# Altium PCB MainboardV2.PcbDoc (part 2 of 2)
Units mm, origin at the board's own origin, x right, y up, seen from the top; angles counter-clockwise.
Board outline 100 x 200 mm, 2 copper layers (Top Layer, Bottom Layer); 154 components, 96 nets, 524 pads, 219 vias.
Unrouted connection lines stored in the file: 2.
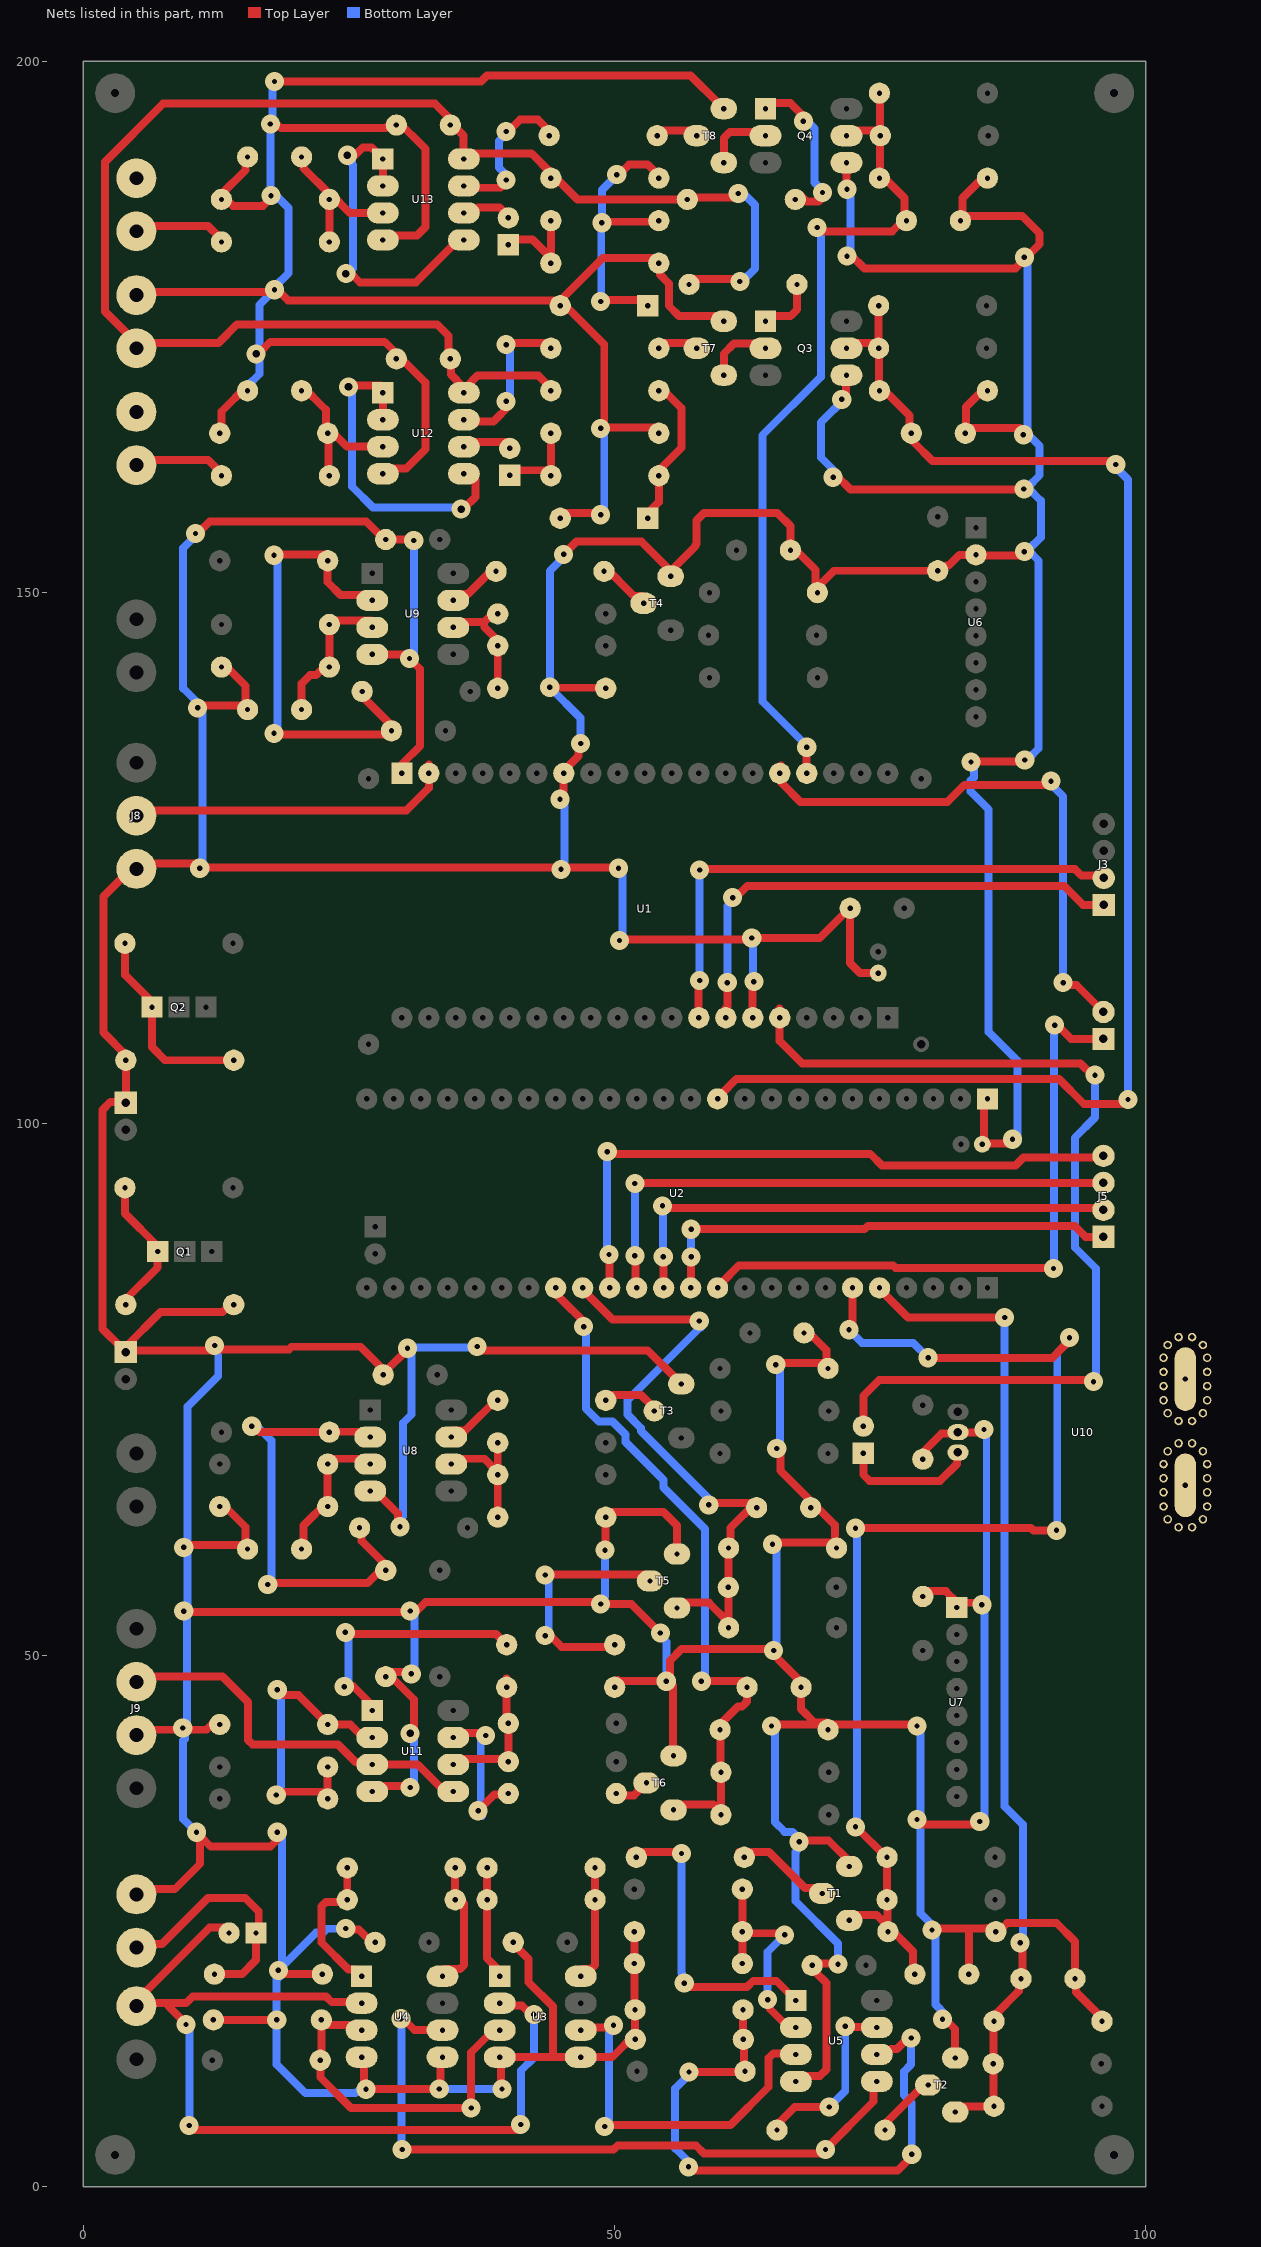
[diagram p2: the nets of this part, all layers, seen from the top]

## Via types
v1: diameter 1.8, hole 0.5, Top Layer to Bottom Layer, 212 vias
v2: diameter 1.8, hole 0.711, Top Layer to Bottom Layer, 7 vias

## Nets (pads, with @x,y where several pads share a name; then routed paths per layer and width w, separated by ;. In a path a pad name is that pad's centre, name@x,y a point inside that pad or via, vN(x,y) a via of type N, cw(c..) or ccw(c..) an arc to the next point about the centre after c; other vN are vias at no path point) (continued)
CPU_OUT.ESP32.TMP: J3.1 U1.J5_7 | length 46.8
  Top Layer w0.75: U1.J5_7@60.452,110.85 60.6,110.998 v1(60.6,113.3) ; v1(61.1,121.3) 61.384,121.3 62.484,122.4 92.3,122.4 94.088,120.612 J3.1@96.021,120.612
  Bottom Layer w0.75: v1(60.6,113.3) 60.6,120.516 61.1,121.016 v1(61.1,121.3)
CPU_OUT.ESP32.VLT: J3.2 U1.J5_8 | length 51.1
  Top Layer w0.75: U1.J5_8@57.912,110.85 57.912,113.412 v1(58,113.5) ; v1(58,123.9) 58.1,124 93.3,124 93.909,123.391 J3.2@95.76,123.391
  Bottom Layer w0.75: v1(58,113.5) v1(58,123.9)
CPU_OUT.ESP32_OUT: J4.2 U1.J4_15 | length 52.6
  Top Layer w0.75: U1.J4_15@65.669,133.713 65.669,132.131 67.5,130.3 81.3,130.3 82.9,131.9 v1@91.4,131.9 ; v1(92.2,113.3) 92.401,113.099 93.441,113.099 95.592,110.948 95.908,110.948 J4.2@96,111.04
  Bottom Layer w0.75: v1@91.35,131.9 91.259,131.809 91.259,131.775 92.2,130.834 v1(92.2,113.3)
  other v1: 91.058,132.26
CPU_OUT.FPGA.CAN: J5.4 U2.34 | length 60
  Top Layer w0.75: v1(49.3,97.4) 49.501,97.199 74.05,97.199 75.149,96.1 87.726,96.1 88.486,96.86 95.86,96.86 J5.4@96,97 ; v1(49.473,87.727) 49.502,87.698 49.502,85.11 U2.34@49.53,85.082
  Bottom Layer w0.75: v1(49.3,97.4) 49.279,97.379 49.279,87.921 v1(49.473,87.727)
CPU_OUT.FPGA.CUR: J5.3 U2.35 | length 53.5
  Top Layer w0.75: v1(51.9,87.6) 51.985,87.515 51.985,85.159 52.062,85.082 U2.35@52.07,85.082 ; v1(51.9,94.4) 51.968,94.467 95.993,94.467 J5.3@96,94.46
  Bottom Layer w0.75: v1(51.9,87.6) v1(51.9,94.4)
CPU_OUT.FPGA.TMP: J5.1 U2.37 | length 44.4
  Top Layer w0.75: U2.37@57.15,85.082 57.175,85.107 57.175,87.475 v1(57.2,87.5) ; v1(57.2,90.1) 73.523,90.1 73.823,90.4 93.3,90.4 94.314,89.386 95.994,89.386 J5.1@96,89.38
  Bottom Layer w0.75: v1(57.2,87.5) v1(57.2,90.1)
CPU_OUT.FPGA.VLT: J5.2 U2.36 | length 48.9
  Top Layer w0.75: v1(54.5,92.3) 54.69,92.11 95.81,92.11 J5.2@96,91.92 ; v1(54.571,87.503) 54.59,87.484 54.59,85.102 U2.36@54.61,85.082
  Bottom Layer w0.75: v1(54.5,92.3) 54.571,92.229 v1(54.571,87.503)
CPU_OUT.FPGA_OUT: J4.1 U2.38 | length 60.7
  Top Layer w0.75: U2.38@59.726,85.046 60.042,85.046 61.696,86.7 76.206,86.7 76.449,86.457 91.243,86.457 v1(91.3,86.4) ; v1(91.4,109.3) 91.664,109.3 92.964,108 95.5,108 J4.1@96,108.5
  Bottom Layer w0.75: v1(91.3,86.4) 91.35,86.45 91.35,109.25 v1(91.4,109.3)
CUR_1_VAL: J16.2 U1.J5_5 | length 89.3
  Top Layer w0.75: U1.J5_5@65.532,110.85 65.532,110 65.532,107.808 67.653,105.687 93.849,105.687 94.936,104.6 v1(95.2,104.6) ; J16.2@73.4,72.07 73.4,74.4 74.9,75.9 v1@95.4,75.9
  Bottom Layer w0.75: v1(95.2,104.6) 95.2,100.6 93.3,98.7 93.3,88.4 95.278,86.422 95.278,76.021 v1@95.4,75.9
  other v1: 95.058,75.76
CUR_2_VAL: J9.2 U11.3 U11.5 | length 36.4
  Top Layer w0.75: J9.2@5,48 13.1,48 15.5,45.6 15.5,42.039 15.939,41.6 23.982,41.6 25.612,39.969 26.951,39.969 U11.3@27.19,39.73 31.47,39.73 34.01,37.19 U11.5@34.81,37.19
CUR_DATA.CUR_DIG.DNGR: C21.1 D9.1 D10.2 R38.1 T5.2 U2.33 | length 59.3
  Top Layer w0.75: U2.33@46.99,85.082 47.251,84.821 47.251,84.149 49.8,81.6 v1@58.3,81.6 ; T5.2@55.87,54.96 58.86,54.96 D9.1@60.71,53.11 ; v1@59.2,64.3 59.25,64.35 C21.1@63.25,64.35 ; D9.1@60.72,53.1 D9.1@60.71,53.11 ; C21.1@63.33,64.43 C21.1@63.4,64.5 ; C21.1@63.36,64.4 63.31,64.35 C21.1@63.25,64.35 ; D9.1@60.71,53.11 60.71,56.89 60.7,56.9 60.71,56.91 60.71,60.59 60.72,60.6 60.886,60.766 60.886,61.986 C21.1@63.25,64.35
  Bottom Layer w0.75: v1@58.134,80.836 58.134,81.434 v1@58.3,81.6 ; v1@58.3,81.1 51.2,74 51.2,72.662 52.485,71.377 52.485,71.103 59.2,64.388 v1@59.2,64.3
  other v1: 58.858,64.16 57.958,81.46
CUR_DATA.CUR_DIG.WARN: C23.1 D11.1 D12.2 R42.1 T6.2 U2.32 | length 66.1
  Top Layer w0.75: U2.32@44.45,85.082 44.678,84.854 44.678,83.819 v1@47.424,81.074 ; T6.2@55.54,35.96 59.306,35.96 59.766,35.5 60,35.5 60,39.5 59.96,39.54 59.96,43.46 59.92,43.5 61.62,45.2 62,45.2 62.46,45.66 62.46,47.5 62.36,47.6 58.6,47.6 v1@58.5,47.7
  Bottom Layer w0.75: v1@47.424,81.074 47.285,80.935 47.285,73.223 48.508,72 49.812,72 51.035,70.777 51.035,70.071 54.6,66.506 54.6,65.8 58.5,61.9 v1@58.5,47.7
  other v1: 58.158,47.56 47.082,80.934
DATA: J8.2 U1.J4_2 | length 30.6
  Top Layer w0.75: J8.2@5,129.5 30.4,129.5 32.512,131.612 U1.J4_2@32.512,133.85
GKART: C25.2 C26.2 C28.2 C29.2 D15.2 D18.2 J13.1 R50.1 R53.1 R58.1 R61.1 T7.3 T8.3 U12.4 U13.4 | length 240.1
  Top Layer w0.75: J13.1@5,178.5 5.201,178.299 17.799,178.299 v1(18,178.5) 18.284,178.5 19.284,177.5 D18.2@44.88,177.5 ; R50.1@12.84,165.5 13.02,165.68 13.02,167.06 C26.2@15.46,169.5 ; C29.2@15.46,191.5 15.28,191.32 15.28,189.78 13,187.5 14.1,186.4 16.9,186.4 v1@18,187.5 ; v2@16.6,172.6 17.6,173.6 28.36,173.6 32.2,169.76 32.2,163.5 30.39,161.69 U12.4@28.19,161.69 ; v1(17.6,194.1) 17.801,193.899 18.394,193.899 18.593,193.7 28.396,193.7 28.456,193.761 28.883,193.761 29.46,194.338 29.46,194.5 32.2,191.76 32.2,184.4 31.4,183.6 28.28,183.6 U13.4@28.19,183.69 ; v1(18,198.1) 37.426,198.1 37.997,198.671 57.139,198.671 59.862,195.948 T8.3@60.178,195.948 ; D15.2@44.88,157.5 44.894,157.486 49.008,157.486 v1@49.022,157.472 ; R53.1@54.16,165.5 54.11,165.55 49.072,165.55 49.022,165.6 49.022,173.358 D18.2@44.88,177.5 ; T7.3@60.27,176.04 56.06,176.04 55.1,177 55.1,179.1 54.271,179.929 54.271,181.389 54.16,181.5 48.88,181.5 D18.2@44.88,177.5
  Bottom Layer w0.75: C26.2@15.46,169.5 15.507,169.5 16.561,170.554 16.561,172.46 16.459,172.562 16.459,172.945 16.561,173.047 16.561,177.061 v1(18,178.5) 18,178.764 19.3,180.064 19.3,186.2 v1@18,187.5 ; v1@18,187.734 17.6,188.134 v1(17.6,194.1) 17.8,194.3 17.8,197.9 v1(18,198.1) ; v1@49.022,157.472 v1@49.022,165.6
  other v1: 48.68,157.332 48.68,165.46 17.658,187.36
  other v2: 16.258,172.46
GND: C1.2 C2.2 C4.2 C5.2 C6.2 C7.2 C8.2 C9.2 C10.2 C11.2 C13.2 C14.2 C15.2 C17.2 C18.2 C19.2 C20.2 C21.2 C22.2 C23.2 C24.2 C27.2 D2.1 D4.1 D6.1 D8.1 D10.1 D12.1 D14.1 D17.1 J1.1 J2.1 J8.3 J9.3 J14.1 Q3.4 Q4.4 R1.1 R2.1 R9.1 R10.1 R11.1 R12.1 R18.1 R19.1 R26.1 R28.1 R35.1 R37.1 R41.1 R45.1 T1.3 T2.3 T3.3 T4.3 T5.3 T6.3 U1.J4_1 U1.J4_7 U1.J5_6 U2.1 U3.4 U3.5 U4.4 U4.5 U5.4 U6.2 U7.1 U8.4 U9.4 U10.2 U11.4 | length 1127.4
  Top Layer w0.635: U10.2@82.3,71 U10.2@82.35,70.95 ; v1@85.05,70.95 v1@85.1,70.9
  Top Layer w0.75: J1.1@3.74,78.8 1.819,80.721 1.819,81.221 1.8,81.24 1.8,101.328 2.539,102.067 3.567,102.067 4,102.5 R2.1@4,106 4,106.5 1.9,108.6 1.9,121.4 5,124.5 v1@10.828,124.5 ; J1.1@4,79.04 7.26,82.3 13.122,82.3 13.822,83 R1.1@14.16,83 ; J1.1@4.24,78.8 4.37,78.67 v1@12.57,78.67 ; J14.1@5,27.5 5.5,28 8.6,28 11,30.4 11,33 12,32 17.6,32 v1@18.6,33 ; J9.3@5,43 11.586,43 12.586,44 R41.1@12.84,44 ; v1@9.9,60.4 15.36,60.4 15.46,60.5 15.28,60.68 15.28,62.06 R26.1@12.84,64.5 ; v1@10.349,54.1 30.286,54.1 30.431,53.955 v1@30.956,53.955 ; v1@10.9,155.7 11.9,156.7 26.624,156.7 28.324,155 C17.2@28.46,155 ; v1@11.1,139.3 11.2,139.4 15.36,139.4 15.46,139.5 15.28,139.68 15.28,141.22 R35.1@13,143.5 ; v1@11.3,124.2 11.35,124.15 45.25,124.15 45.3,124.1 45.35,124.15 50.65,124.15 v1@50.7,124.2 ; R11.1@12.24,15.7 v1(18.2,15.7) ; v1@12.7,78.8 19.371,78.8 19.611,79.04 26.08,79.04 C13.2@28.22,76.9 ; v1(18.358,20.36) 18.642,20.36 19.002,20 R12.1@22.5,20 ; v1(24.7,24.3) 24.799,24.201 25.921,24.201 27.122,23 C8.2@27.46,23 ; U4.4@26.19,12.19 26.399,11.981 26.399,9.376 v1(26.6,9.175) 26.612,9.188 33.487,9.188 v1(33.5,9.2) 33.599,9.299 33.599,11.979 U4.5@33.81,12.19 U4.5@33.6,12.4 ; U11.4@27.19,37.69 27.195,37.695 v1@31.095,37.695 ; U9.4@27.19,144.19 30.31,144.19 v1(30.7,143.8) 31.7,142.8 31.7,135.578 U1.J4_1@29.972,133.85 ; U8.4@27.53,65.43 29.599,63.361 29.599,62.301 v1(29.8,62.1) ; C13.2@28.47,76.76 30.5,78.79 v1(30.5,78.9) ; C17.2@28.96,155 31,155 v1(31.1,154.9) ; v2@31.1,42.8 31.1,45.86 28.51,48.45 v1@31.15,48.45 ; v1@31.1,53.9 32.2,55 v1@49,55 ; v1@37.4,78.7 53.11,78.7 55.862,75.948 56.178,75.948 T3.3@56.27,76.04 ; v1(39.4,9.2) 39.301,9.299 39.301,12.08 U3.4@39.19,12.19 44.2,12.19 ; C7.2@40.46,22.662 40.674,22.662 41.9,21.435 41.9,19.25 44.2,16.951 44.2,12.19 ; v1(43.9,141.1) 43.95,141.05 48.71,141.05 R37.1@49.16,141.5 ; v1@45.2,130.2 45.206,130.206 45.206,133.35 45.323,133.35 46.599,134.626 46.599,135.599 v1(46.8,135.8) ; v1(45.2,153.6) 46.4,154.8 52.51,154.8 55.27,152.04 57.6,154.37 57.6,154.5 57.7,154.6 57.7,156.8 58.4,157.5 65.3,157.5 66.54,156.26 66.54,154.5 68.914,152.126 68.914,150.666 69.08,150.5 70.64,152.06 C10.2@80.4,152.06 80.738,152.06 81.216,152.537 81.428,152.537 82.451,153.56 U6.2@84,153.56 84.06,153.5 v1@88.9,153.5 ; v1(49.1,59.9) 49.13,59.93 49.13,63.37 49.08,63.42 49.16,63.5 54.6,63.5 55.87,62.23 T5.3@55.87,60.04 ; v1@49.167,54.832 51.568,54.832 v1(54.3,52.1) ; R45.1@50.3,47.7 50.4,47.6 v1@55.1,47.6 ; v1@50.9,117.5 50.9,117.423 50.943,117.38 62.78,117.38 v1(62.9,117.5) 69.3,117.5 C1.2@72.001,120.201 ; R10.1@51.856,24 51.856,21.5 51.888,21.468 51.888,17.179 51.935,17.132 51.935,14.382 51.95,14.367 49.773,12.19 U3.5@46.81,12.19 44.2,12.19 ; v1@55.2,47.7 55.2,49.5 56.3,50.6 v1@65.3,50.6 ; v1@55.5,47.166 55.5,41.08 T6.3@55.54,41.04 ; U1.J5_6@62.992,110.85 62.992,113.292 v1(63.1,113.4) ; v1@65.1,43.5 D12.1@70.08,43.5 ; v1@65.2,60.6 70.88,60.6 70.714,60.766 70.714,62.266 65.6,67.38 v1@65.6,69.6 ; 65.421,49.618 67.54,47.5 C23.2@67.54,47 67.54,44.96 68.834,43.666 69.914,43.666 D12.1@70.08,43.5 ; v1@65.5,77.5 70.08,77.5 69.914,77.666 69.914,78.739 C14.2@67.816,80.837 ; U5.4@67.056,10.406 69.306,10.406 69.925,11.025 69.925,19.168 68.831,20.262 68.831,20.751 69.08,21 70.968,21 v1(71.024,20.944) ; v1@67.7,32.6 70.11,32.6 T1.3@72.07,30.64 ; v1@70.9,161 72.2,159.7 v1@88.416,159.7 ; v1@71.76,168.374 71.76,170.91 Q3.4@71.81,170.96 ; Q4.4@71.81,190.46 71.81,188.662 v1@72.2,188.272 ; C1.2@72.16,120.3 72.16,115.14 73.1,114.2 C2.2@74.8,114.2 ; v1@72.2,181.8 73.5,180.5 87.7,180.5 90,182.8 90,183.8 88.35,185.45 82.59,185.45 82.54,185.5 82.72,185.68 82.72,187.14 D17.1@85.08,189.5 ; v1@78.8,34.2 78.9,34.1 84.6,34.1 v1@84.7,34 ; v1@78.8,43.5 D12.1@70.08,43.5 ; C11.2@79,56.04 81.16,56.04 82.25,54.95 84.85,54.95 v1@84.9,54.9 ; C20.2@79,68.46 79.239,68.699 79.239,69.339 80.756,70.856 82.156,70.856 U10.2@82.3,71 ; v1@80.2,24.3 85.07,24.3 85.104,24.334 85.708,24.334 85.767,24.276 86.414,24.276 86.938,24.8 91.6,24.8 93.318,23.082 93.318,20.072 93.42,19.97 93.42,18.332 95.68,16.072 D4.1@95.858,16.072 ; v1@81.2,15.9 81.2,15.666 82.048,14.818 T2.3@82.048,12.612 ; U10.2@82.35,70.95 v1@85.05,70.95 ; C5.2@83.334,20.5 83.334,24.034 ; v1@83.98,134.095 v1@88.47,134.095 ; C4.2@84.6,98.1 C4.2@84.65,98.15 ; D14.1@85.08,169.5 83.054,167.474 83.054,165.554 83,165.5 88.128,165.5 v1@88.628,165 ; U2.1@85.09,102.362 84.744,102.016 84.744,98.244 C4.2@84.65,98.15 ; v1@87.775,98.2 87.725,98.15 C4.2@84.65,98.15
  Bottom Layer w0.635: v1@84.9,54.4 85,54.5 85,70.8 v1@85.1,70.9
  Bottom Layer w0.75: v1@10.9,155.7 9.4,154.2 9.4,141 11.2,139.2 11.2,124.3 v1@11.3,124.2 ; v1@11,33 9.4,34.6 9.4,41.986 9.556,42.142 9.556,42.656 9.75,42.85 9.75,53.75 9.8,53.8 9.8,73.4 12.7,76.3 v1@12.7,78.8 ; v1(18.358,20.36) v1@18.7,20.702 ; v1@18.7,20 18.2,19.5 18.2,11.5 20.9,8.8 25.636,8.8 25.81,8.974 26.399,8.974 v1(26.6,9.175) ; v1@18.7,33.36 v1@18.7,20.702 ; v1(24.7,24.3) 24.675,24.275 22.94,24.275 22.565,23.9 21.898,23.9 v1@18.7,20.702 ; v1(29.8,62.1) 30.001,62.301 30.001,62.965 30.1,63.064 30.1,71.886 30.9,72.686 30.9,78.5 v1(30.5,78.9) ; v1(30.7,143.8) 31.1,144.2 v1(31.1,154.9) ; v1@30.866,37.7 31.1,37.7 v2@31.1,42.8 ; v1@30.985,78.98 v1@37.12,78.98 ; v1@31.15,48.45 v1@31.15,53.761 ; v1(33.5,9.2) 33.525,9.175 39.375,9.175 v1(39.4,9.2) ; v1@45.2,130.2 45.3,130.1 v1@45.3,124.1 ; v1(45.2,153.6) 45.2,153.336 43.9,152.036 v1(43.9,141.1) 46.8,138.2 v1(46.8,135.8) ; v1@49.1,55.534 v1(49.1,59.9) ; v1@50.7,124.2 50.75,124.15 50.75,117.45 v1@50.8,117.4 ; 54.858,51.258 54.858,48.042 v1@55.2,47.7 ; v1(62.9,117.5) 63,117.4 63,113.5 v1(63.1,113.4) ; v1@65.1,43.5 65.1,34.3 66,33.4 66.728,33.4 v1@67.528,32.6 ; v1@65.2,60.6 65.25,60.55 v1@65.25,50.65 ; v1@65.5,77.5 65.55,77.45 65.55,69.65 v1@65.6,69.6 ; v1(67.358,32.46) 67.157,32.259 67.157,31.653 67,31.496 67,26.9 71.024,22.876 v1(71.024,20.944) ; v1@70.9,161.234 69.4,162.734 69.4,166.014 v1@71.71,168.324 ; v1@72.2,181.3 v1@72.2,187.6 ; v1@78.8,43.4 78.8,25.7 80.056,24.444 80.056,23.944 80.2,23.8 80.2,17.134 81.2,16.134 v1@81.2,15.9 ; v1@83.876,133.7 83.802,133.626 83.802,132.622 83.5,132.32 83.5,131.284 85.2,129.584 85.2,108.661 87.9,105.961 87.9,98.325 v1@87.775,98.2 ; v1@84.7,34 84.8,34.1 84.8,54.3 v1@84.9,54.4 ; v1@88.8,165 90,163.8 90,161.05 88.85,159.9 90.1,158.65 90.1,155.2 88.9,154 89.9,153 89.9,135.353 v1@88.938,134.391 ; v1@88.85,165.05 v1@88.85,181.65
  other v1: 80.858,15.76 79.858,24.16 10.658,33.36 18.258,33.36 84.358,34.36 78.458,34.56 30.758,37.56 9.358,43.16 64.758,43.36 78.458,43.36 54.858,47.56 30.858,48.26 64.958,50.46 9.458,54.16 30.758,54.171 84.558,54.76 48.682,54.832 9.458,60.16 64.858,60.46 65.258,69.46 84.758,71.26 65.158,77.36 37.058,79.06 12.358,79.16 87.433,98.56 50.458,117.26 44.958,123.96 10.958,124.06 50.358,124.06 44.858,130.56 83.534,134.06 88.596,134.251 10.758,139.16 88.558,153.86 10.558,155.56 88.508,159.76 70.558,160.86 88.458,164.86 71.368,168.184 88.558,181.56 71.858,181.66 71.858,187.96
  other v2: 30.758,42.66
I_VREF_DNGR: R39.2 R41.2 R62.2 U11.2 | length 27.1
  Top Layer w0.75: v1@18.5,37 18.666,37.166 R62.2@23,37.166 ; v1@18.6,46.4 18.744,46.256 20.244,46.256 22.662,43.838 23,43.838 23.342,43.497 25.125,43.497 26.352,42.27 U11.2@27.19,42.27 ; R62.2@23,37 R62.2@23,37.166 ; R39.2@23,40 R39.2@23,39.5 R62.2@23,37.166
  Bottom Layer w0.75: v1@18.6,37.2 v1@18.6,46.4
  other v1: 18.158,36.86 18.258,46.76
I_VREF_WARN: R43.2 R45.2 R63.2 U11.6 | length 12.4
  Top Layer w0.75: U11.6@34.81,40.23 39.361,40.23 39.471,40.34 R63.2@39.84,40.34 ; R43.2@39.84,43.5 R45.2@39.84,47 R45.2@39.84,47.847 ; R63.2@40,40.5 R43.2@40,43.5
INA_DNGR: U3.6 U5.3 | length 34.7
  Top Layer w0.75: U3.6@47.071,14.969 49.385,14.969 49.616,15.2 v1(49.9,15.2) ; v1@49.404,5.8 60.9,5.8 64.5,9.4 64.5,12.118 64.939,12.557 66.667,12.557 U5.3@67.056,12.946
  Bottom Layer w0.75: v1@49.4,5.8 49.465,5.865 49.465,14.481 49.9,14.916 v1(49.9,15.2)
  other v1: 49.058,5.66
INA_WARN: U4.6 U5.5 | length 66.3
  Top Layer w0.75: v1(29.9,15.8) 30.117,15.8 31.185,14.732 U4.6@33.808,14.732 ; v1(30,3.5) 49.898,3.5 50.298,3.9 57.64,3.9 58.403,3.137 69.837,3.137 v1@70.179,3.137 ; v1(69.837,3.497) 74.338,7.998 74.338,9.568 U5.5@74.676,9.906
  Bottom Layer w0.75: v1(29.9,15.8) 29.95,15.75 29.95,3.55 v1(30,3.5) ; v1(69.837,3.497) 70.068,3.267 v1@70.309,3.267
KVCC_Interface_Voltage_Sensor_2: C25.1 C28.1 J13.2 R46.2 R51.1 R54.2 R59.1 U12.8 U13.8 | length 144.9
  Top Layer w0.75: R51.1@44,169.5 43.746,169.5 42.82,170.426 37.102,170.426 35.986,169.31 35.81,169.31 34.594,170.526 34.594,172.446 34.54,172.5 34.36,172.68 34.36,174.166 33.274,175.252 14.478,175.252 12.726,173.5 5,173.5 2.032,176.468 2.032,190.532 7.506,196.006 33.094,196.006 34.54,194.56 34.54,194.5 34.54,194.248 35.776,193.012 35.776,191.344 35.81,191.31 42.19,191.31 44,189.5 46.5,187 R54.2@56.84,187 57.038,187.198 v1@61.976,187.198 ; R46.2@57,179.5 62.033,179.5 v1@62.124,179.409
  Bottom Layer w0.75: v1@61.976,187.698 63.2,186.474 63.2,180.485 v1@62.124,179.409
  other v1: 61.782,179.269 61.634,187.558
NetC12_1: C12.1 R20.2 R22.2 U8.2 | length 43.1
  Top Layer w0.75: v1@16.2,71.2 16.403,71.2 16.603,71 R22.2@23.16,71 ; v1@16.2,71.7 v1@16.3,71.6 ; v1@17.7,56.8 26.76,56.8 28.46,58.5 26.18,60.78 26.18,62.32 R20.2@26,62.5 ; R22.2@23.314,71.6 23.874,71.04 U8.2@27,71.04
  Bottom Layer w0.75: v1@16.2,71.7 17.7,70.2 v1@17.7,56.8
  other v1: 17.358,56.66 15.858,71.56
NetC15_1: C15.1 R24.2 R26.2 U8.3 | length 13
  Top Layer w0.75: C15.1@20.54,60.5 20.72,60.68 20.72,62.22 23,64.5 23,68.5 U8.3@27,68.5
NetC16_1: C16.1 R29.2 R31.2 U9.2 | length 44.2
  Top Layer w0.75: v1@18.288,136.898 18.46,136.898 18.714,136.644 28.144,136.644 29,137.5 R29.2@26,140.5 ; v1@18.288,153.662 18.369,153.581 22.919,153.581 23,153.5 23,150.982 24.212,149.77 U9.2@27.19,149.77
  Bottom Layer w0.75: v1@18.288,136.898 v1@18.288,153.662
  other v1: 17.946,136.758 17.946,153.522
NetC19_1: C19.1 R33.2 R35.2 U9.3 | length 13.6
  Top Layer w0.75: C19.1@20.54,139.5 20.54,141.436 21.336,142.232 21.892,142.232 23.16,143.5 23.16,147.5 23.295,147.365 27.055,147.365 U9.3@27.19,147.23
NetC26_1: C26.1 R49.2 R50.2 U12.3 | length 15
  Top Layer w0.75: C26.1@20.54,169.5 22.82,167.22 22.82,165.68 23,165.5 23.08,165.42 23.08,161.58 R49.2@23.16,161.5 ; R50.2@23.054,165.5 24.824,163.73 U12.3@28.19,163.73
NetC29_1: C29.1 R57.2 R58.2 U13.3 | length 14.8
  Top Layer w0.75: C29.1@20.54,191.5 20.72,191.32 20.72,189.94 R58.2@23.16,187.5 ; R57.2@23.16,183.5 R58.2@23.16,187.5 ; U13.3@28.19,185.73 25.084,185.73 23.314,187.5 R58.2@23.16,187.5
NetD15_1: D15.1 R51.2 R52.1 | length 14.2
  Top Layer w0.75: D15.1@53.12,157.5 54.16,158.54 54.16,161.5 56.3,163.64 56.3,167.36 R51.2@54.16,169.5
NetD18_1: D18.1 R59.2 R60.1 | length 26.9
  Top Layer w0.75: v1(48.8,184.8) 48.9,184.9 53.583,184.9 54.116,185.433 R60.1@54.116,185.456 ; v1@49.022,177.538 49.041,177.519 53.101,177.519 D18.1@53.12,177.5 ; v1@50.546,189.476 51.37,190.3 53.106,190.3 53.906,189.5 R59.2@54.16,189.5
  Bottom Layer w0.75: v1@49.022,177.538 48.74,177.82 48.74,184.74 v1(48.8,184.8) 48.8,187.876 50.4,189.476 v1@50.546,189.476
  other v1: 48.68,177.398 50.204,189.336
NetDZ1_1: DZ1.1 Q1.1 R1.2 | length 13.5
  Top Layer w0.75: DZ1.1@3.92,94.5 3.92,91.58 7,88.5 7,86.5 R1.2@4,83.5
NetDZ2_1: DZ2.1 Q2.1 R2.2 | length 19.5
  Top Layer w0.75: DZ2.1@3.92,117.5 3.92,114.04 6.46,111.5 6.46,107.24 7.7,106 R2.2@14.16,106
NetJ16_1: J16.1 U10.3 | length 13.4
  Top Layer w0.75: J16.1@73.4,69.53 73.4,67 74,66.4 80.6,66.4 82.219,68.019 82.219,69.009 U10.3@82.3,69.09
NetJ17_1: J17.1 R52.2 R53.2 | length 7.9
  Top Layer w0.75: J17.1@40.132,161.536 40.15,161.518 43.982,161.518 44,161.5 R53.2@44,165.5
NetJ18_1: J18.1 R60.2 R61.2 | length 8.7
  Top Layer w0.75: J18.1@40,183.23 42.27,183.23 44,181.5 R60.2@44,185.5
NetQ3_1: Q3.1 R46.1 | length 6.1
  Top Layer w0.75: Q3.1@64.19,176.04 64.216,176.014 66.548,176.014 67.16,176.626 R46.1@67.16,179.5
NetQ3_2: Q3.2 T7.2 | length 5.9
  Top Layer w0.75: T7.2@60.27,170.96 60.27,172.47 61.244,173.444 64.134,173.444 Q3.2@64.19,173.5
NetQ4_1: Q4.1 R54.1 | length 15.9
  Top Layer w0.75: Q4.1@64.19,196.04 64.21,196.06 66.54,196.06 v1@68.1,194.5 ; R54.1@67,187.5 67.354,187.5 68.054,186.8 69.197,186.8 69.697,187.3 v1@69.9,187.3
  Bottom Layer w0.75: v1@68.1,194.5 68.1,194.396 68.8,193.696 68.8,188.603 69.9,187.503 v1@69.9,187.3
  other v1: 69.558,187.66 67.758,194.36
NetQ4_2: Q4.2 T8.2 | length 6
  Top Layer w0.75: T8.2@60.27,190.96 60.27,192.77 60.863,193.363 64.053,193.363 Q4.2@64.19,193.5
NetR3_1: R3.1 R4.1 U3.8 | length 11.2
  Top Layer w0.75: U3.8@46.81,20.31 46.976,20.476 47.788,20.476 48.16,20.847 R3.1@48.16,30.5
NetR3_2: R3.2 R4.2 U3.1 | length 10.7
  Top Layer w0.75: R3.2@38,30.5 38,27.5 38,21.5 39.19,20.31 U3.1@39.191,20.311
NetR7_1: R7.1 U5.1 | length 28.5
  Top Layer w0.75: R7.1@51.562,31.488 v1@56.642,31.488 ; v1@56.896,18.796 62.464,18.796 63.043,19.375 65.207,19.375 66.431,18.151 66.931,18.151 U5.1@67.056,18.026
  Bottom Layer w0.75: v1(56.3,31.348) 56.3,20.12 56.353,20.067 56.353,19.641 56.698,19.296 v1@56.896,19.296
  other v1: 56.554,19.156
NetR7_2: R7.2 T1.1 | length 9.2
  Top Layer w0.75: R7.2@61.722,31.488 64.536,31.488 67.924,28.1 T1.1@69.53,28.1
NetR13_1: R13.1 R15.1 U4.8 | length 12.2
  Top Layer w0.75: U4.8@33.81,20.31 33.976,20.476 35.442,20.476 35.814,20.847 35.814,26.658 35,27.472 R13.1@35,30.5
NetR13_2: R13.2 R15.2 U4.1 | length 14.2
  Top Layer w0.75: R15.2@24.84,27 24.64,26.8 22.839,26.8 22.4,26.361 22.4,23 24.965,20.435 25.565,20.435 U4.1@26.19,19.81 ; R15.2@24.84,27.5 R13.2@24.84,30.5
NetR16_1: R16.1 U5.7 | length 16.4
  Top Layer w0.75: R16.1@65.278,5.834 66.944,7.5 v1(70.2,7.5) ; v1(71.7,15.1) 71.757,15.043 74.219,15.043 U5.7@74.269,15.093
  Bottom Layer w0.75: v1(70.2,7.5) 71.7,9 v1(71.7,15.1)
NetR16_2: R16.2 T2.1 | length 5.9
  Top Layer w0.75: R16.2@75.438,5.834 75.438,5.918 79.508,9.988 T2.1@79.508,10.072
NetR23_1: R23.1 U8.7 | length 6
  Top Layer w0.75: U8.7@34.62,71.04 34.756,71.176 35.976,71.176 39,74.2 R23.1@39,74.5
NetR23_2: R23.2 T3.1 | length 5
  Top Layer w0.75: R23.2@49.16,74.5 52.489,74.5 53.489,73.5 T3.1@53.73,73.5
NetR25_2: R25.2 R27.2 R28.2 U8.6 | length 11.8
  Top Layer w0.75: U8.6@34.62,68.5 37.746,68.5 38.746,67.5 R25.2@39,67.5 ; R28.2@39,63.5 R25.2@39,67.5 ; R27.2@39,70.5 R25.2@39,67.5
NetR32_1: R32.1 U9.7 | length 5.2
  Top Layer w0.75: U9.7@34.81,149.77 34.906,149.866 36.206,149.866 R32.1@38.84,152.5
NetR32_2: R32.2 T4.1 | length 5
  Top Layer w0.75: R32.2@49,152.5 51.83,149.67 52.56,149.67 T4.1@52.73,149.5
NetR34_2: R34.2 R36.2 R37.2 U9.6 | length 11
  Top Layer w0.75: U9.6@34.81,147.23 37.73,147.23 ; R37.2@39,141.5 39,145.5 37.73,146.77 37.73,147.23 ; R36.2@39,148.5 37.73,147.23
NetR40_1: R40.1 U11.1 | length 23.7
  Top Layer w0.75: v1@24.9,47.2 25,47.1 25.4,47.1 U11.1@27.19,45.31 ; v1@25,52.3 25,52.143 25.143,52 38.84,52 R40.1@39.84,51
  Bottom Layer w0.75: v1@24.9,47.2 24.95,47.25 24.95,52.25 v1@25,52.3
  other v1: 24.558,47.06 24.658,52.16
NetR40_2: R40.2 T5.1 | length 21
  Top Layer w0.75: v1@43.8,52 45,50.8 48.978,50.8 ; v1@43.8,57.7 43.9,57.6 53.23,57.6 T5.1@53.33,57.5
  Bottom Layer w0.75: v1@43.8,52 v1@43.8,57.7
  other v1: 43.458,51.86 43.458,57.56
NetR44_1: R44.1 U11.7 | length 14.5
  Top Layer w0.75: U11.7@34.81,42.77 34.895,42.685 38.115,42.685 v1@38.2,42.6 ; v1(37.158,35.375) 38.705,36.922 R44.1@39.422,36.922
  Bottom Layer w0.75: v1(37.158,35.375) 37.158,35.242 v1@37.5,34.9 ; v1@37.4,35.375 37.4,41.796 v1@38.2,42.596
  other v1: 37.858,42.46
NetR44_2: R44.2 T6.1 | length 3.4
  Top Layer w0.75: R44.2@50.16,37 50.327,36.833 51.833,36.833 T6.1@53,38
NetR48_2: R48.2 T7.1 | length 3.6
  Top Layer w0.75: R48.2@54.16,173.5 T7.1@57.73,173.5
NetR56_2: R56.2 T8.1 | length 3.7
  Top Layer w0.75: R56.2@54,193.5 T8.1@57.73,193.5
NetU10_4: U10.4 U10.4_1 U10.4_2 U10.4_3 U10.4_4 U10.4_5 U10.4_6 U10.4_7 U10.4_8 U10.4_9 U10.4_10 U10.4_11 U10.4_12 U10.4_13 U10.4_14 U10.4_15 U10.4_16
NetU10_5: U10.5 U10.5_1 U10.5_2 U10.5_3 U10.5_4 U10.5_5 U10.5_6 U10.5_7 U10.5_8 U10.5_9 U10.5_10 U10.5_11 U10.5_12 U10.5_13 U10.5_14 U10.5_15 U10.5_16
RTD2: J12.1 J15.2 U3.2 U4.2 | length 90.9
  Top Layer w0.75: J12.1@5,17 5.27,17.27 9.67,17.27 10.3,17.9 22.852,17.9 23.383,17.368 26.092,17.368 U4.2@26.19,17.27 ; J12.1@5,17.5 11.876,24.376 J15.2@13.716,24.376 ; 8,17 10,15 v1@10,14.9 ; v1@10.3,5.4 10.35,5.35 40.85,5.35 v1@41.5,6 ; U3.2@39.929,17.031 41.285,17.031 42.116,16.2 v1(42.4,16.2)
  Bottom Layer w0.75: v1@10,14.9 10,6.214 10.156,6.058 10.156,5.544 v1@10.3,5.4 ; v1@41.375,6.125 41.175,6.325 41.175,10.921 42.4,12.146 v1(42.4,16.2)
  other v1: 9.958,5.76 41.158,5.86 9.658,15.26
RTD3: J14.2 J15.1 R12.2 | length 23.2
  Top Layer w0.75: J14.2@5,22.5 5.338,22.838 7.405,22.838 11.737,27.17 15.24,27.17 16.51,25.9 16.51,24.63 16.256,24.376 16.256,21.328 14.928,20 R12.2@12.257,20
TMP_DATA.TMP_DIG.DNGR: C5.1 D1.1 D2.2 R5.1 T1.2 U2.43 | length 112.5
  Top Layer w0.75: T1.2@72.07,25.56 74.654,25.56 D2.2@75.674,24.54 ; U2.43@72.39,85.082 72.395,85.077 72.395,80.783 v1@72.4,80.778 ; v1@73,33.5 73.067,33.5 75.192,31.375 75.509,31.375 75.634,31.5 D1.1@75.634,31 75.634,27.5 75.674,27.46 D2.2@75.674,24.54 ; v1@73,61.6 73.4,62 89.175,62 89.415,61.76 v1(91.575,61.76) ; C5.1@78.254,20.5 78.074,20.68 78.074,22.14 75.714,24.5 D2.2@75.674,24.54 ; v1(79.5,78) 91.2,78 91.73,78.53 91.73,78.546 92.8,79.616 v1(92.8,79.9)
  Bottom Layer w0.75: v1(72.058,80.638) 73.296,79.4 78.1,79.4 v1(79.5,78) ; v1@73,33.5 72.825,33.675 72.825,61.425 v1@73,61.6 ; v1(91.575,61.76) 91.65,61.835 91.65,78.466 92.8,79.616 v1(92.8,79.9)
  other v1: 72.658,33.86 72.658,61.96
TMP_DATA.TMP_DIG.WARN: C9.1 D3.1 D4.2 R14.1 T2.2 U2.44 | length 92.8
  Top Layer w0.75: U2.44@75.17,84.842 75.17,84.231 77.6,81.8 v1(86.7,81.8) ; T2.2@82.048,7.532 84.924,7.532 85.464,8.072 85.698,8.072 85.658,8.112 85.658,12.032 85.618,12.072 85.658,12.112 85.658,16.032 85.698,16.072 88.058,18.432 88.058,19.892 88.112,19.892 88.369,20.149 88.369,22.469 v1@88.5,22.6
  Bottom Layer w0.75: v1(86.7,81.8) 86.7,35.783 88.416,34.067 88.416,22.684 v1@88.5,22.6
  other v1: 88.158,22.96
V+: R6.1 R11.2 U3.3 U4.3 | length 33.3
  Top Layer w0.75: R11.2@22.4,15.7 22.4,12 R6.1@22.3,11.9 22.3,10.3 25.2,7.4 v1(36.5,7.4) 36.5,12.652 38.578,14.73 U3.3@39.19,14.73 ; R11.2@22.873,15.23 24.852,15.23 25.113,14.969 25.929,14.969 U4.3@26.19,15.23
  Bottom Layer w0.75: v1(36.5,7.4) v1@36.602,7.502
VLT1_SNS.DNGR: J6.2 R57.1 | length 8.4
  Top Layer w0.75: J6.2@5,184.5 11.746,184.5 12.746,183.5 R57.1@13,183.5
VLT2_SNS.DNGR: J10.2 R49.1 | length 8.4
  Top Layer w0.75: J10.2@5,162.5 11.746,162.5 12.746,161.5 R49.1@13,161.5
VLT_1: C27.1 D16.1 D17.2 Q4.5 R55.1 U1.J4_16 | length 78.9
  Top Layer w0.75: U1.J4_16@68.072,133.85 68.074,133.852 v1(68.074,135.45) ; v1@69.4,184 76.122,184 77.122,185 C27.1@77.46,185 ; Q4.5@71.81,193.5 R55.1@75,193.5 ; D16.1@74.92,197.5 74.96,197.46 74.96,193.54 R55.1@75,193.5 ; C27.1@77.46,185.5 77.28,185.68 77.28,187.14 74.92,189.5 74.96,189.54 74.96,193.46 R55.1@75,193.5
  Bottom Layer w0.75: v1(68.074,135.45) 68.074,135.602 63.9,139.775 63.9,164.8 69.4,170.3 v1@69.4,184
  other v1: 69.058,184.36
VLT_1_SNS_WRN: J6.1
VLT_2: C24.1 D13.1 D14.2 Q3.5 R47.1 U2.11 | length 138.5
  Top Layer w0.75: U2.11@59.726,102.826 60.042,102.826 61.453,104.237 91.811,104.237 94.148,101.9 97.616,101.9 98.016,102.3 v1(98.3,102.3) ; Q3.5@71.81,173.5 R47.1@74.84,173.5 ; D13.1@74.84,177.5 R47.1@74.84,173.5 ; v1@97.5,162.2 97.3,162.4 79.9,162.4 78.106,164.194 78.106,165.314 77.74,165.68 77.74,166.68 74.92,169.5 74.88,169.54 74.88,173.46 R47.1@74.84,173.5
  Bottom Layer w0.75: v1@97.5,162.2 97.359,162.059 97.359,161.575 98.3,160.634 v1(98.3,102.3)
  other v1: 97.158,162.06
VLT_2_SNS_WRN: J10.1
VLT_BUFFER_Interface_Voltage_Sensor_2: U12.1 U12.2 U12.5 | length 31
  Top Layer w0.75: v2@25.3,169.5 28,169.5 28.19,169.31 U12.2@28.19,166.77 ; U12.5@35.81,161.69 36.9,160.6 36.9,159 v2@35.9,158
  Bottom Layer w0.75: v2@25.3,169.5 25.3,159.972 27.272,158 v2@35.9,158
  other v2: 35.558,157.86 24.958,169.36
VLT_BUFFER_nterface_Voltage_Sensor_1: U13.1 U13.2 U13.5 | length 30.3
  Top Layer w0.75: v2@25.061,180.158 26.019,179.2 31.32,179.2 U13.5@35.81,183.69 ; v2@25.2,190.8 26.3,191.9 27.126,191.9 27.565,191.461 27.565,191.435 27.69,191.31 28.19,191.31 28.19,188.77 U13.2@28.289,188.869
  Bottom Layer w0.75: v2@25.061,180.158 25.4,180.498 25.4,190.232 25.299,190.333 25.299,190.701 v2@25.2,190.8
  other v2: 24.719,180.018 24.858,191.16
VLT_COMP_Interface_Voltage_Sensor_2: R48.1 U12.7 | length 14.2
  Top Layer w0.75: U12.7@35.81,166.27 35.98,166.1 38.592,166.1 v1@40.132,167.64 ; v1@40.132,173.474 40.145,173.487 43.987,173.487 R48.1@44,173.5
  Bottom Layer w0.75: v1@40.132,168.14 40.132,172.974 v1@40.132,173.474
  other v1: 39.79,168 39.79,173.334
VLT_COMP_nterface_Voltage_Sensor_1: R56.1 U13.7 | length 14.9
  Top Layer w0.75: U13.7@35.81,188.77 36.179,188.77 36.849,188.1 39.264,188.1 v1@40.132,188.968 ; v1@40.132,193.54 41.092,194.5 42.786,194.5 43.786,193.5 R56.1@43.84,193.5
  Bottom Layer w0.75: v1@40.132,188.968 39.1,190 39.1,192.508 v1@40.132,193.54
  other v1: 39.79,188.828 39.79,193.4
VREF_DNGR: R8.2 R9.2 R10.2 U5.2 | length 22.4
  Top Layer w0.75: R8.2@62.016,28.5 R8.2@62.016,28 R10.2@62.016,24 ; R9.2@62.359,21.156 62.016,21.5 R10.2@62.016,24 ; v1(64.4,17.6) 64.601,17.399 64.601,16.744 66.049,15.296 66.866,15.296 U5.2@67.056,15.486 ; v1(66,23.7) 65.85,23.85 62.166,23.85 R10.2@62.016,24
  Bottom Layer w0.75: v1(64.4,17.6) 64.4,22.1 v1(66,23.7)
VREF_Interface_Voltage_Sensor_2: J17.2 U12.6 | length 4.4
  Top Layer w0.75: U12.6@35.81,164.23 35.887,164.153 40.055,164.153 J17.2@40.132,164.076
VREF_nterface_Voltage_Sensor_1: J18.2 U13.6 | length 4.9
  Top Layer w0.75: U13.6@35.81,186.23 36.071,185.969 36.887,185.969 37.148,186.23 39.186,186.23 40,185.416 J18.2@40,185.27
VREF_WARN: R17.2 R18.2 R19.2 U5.6 | length 58.6
  Top Layer w0.75: v1(57,10.8) 61.693,10.8 62.24,11.347 62.24,11.397 62.19,11.447 62.19,14.287 62.11,14.367 62.095,14.382 62.095,17.132 R18.2@62.08,17.147 ; v1@57.3,1.512 76.612,1.512 v1@78.3,3.2 ; v1@57.3,2.012 v1@57.415,1.897 ; U5.6@74.676,12.946 74.937,12.685 75.753,12.685 76.014,12.946 76.562,12.946 77.616,14 v1(77.9,14)
  Bottom Layer w0.75: v1(57,10.8) 57,10.536 55.7,9.236 55.7,3.612 v1@57.3,2.012 ; v1(77.9,14) 77.9,11.507 77.216,10.823 77.216,8.615 77.958,7.873 v1(77.958,3.06)
  other v1: 56.958,1.872
pads on no net: J9.1 Q3.3 Q3.6 Q4.3 Q4.6 U1. U1.J4_4 U1.J4_5 U1.J4_8 U1.J4_9 U1.J4_10 U1.J4_11 U1.J4_12 U1.J4_14 U1.J4_17 U1.J4_18 U1.J4_19 U1.J5_2 U1.J5_3 U1.J5_4 U1.J5_11 U1.J5_12 U1.J5_13 U1.J5_14 U1.J5_15 U1.J5_16 U1.J5_17 U1.J5_18 U1.J5_19 U2.3 U2.4 U2.5 U2.6 U2.7 U2.8 U2.9 U2.10 U2.12 U2.15 U2.16 U2.17 U2.18 U2.19 U2.20 U2.21 U2.22 U2.23 U2.24 U2.25 U2.26 U2.27 U2.28 U2.29 U2.30 U2.31 U2.40 U2.41 U2.42 U2.45 U2.46 U2.47 U2.48 U2.49 U2.50 U2.Un1 U6.5 U6.6 U6.7 U6.8 U7.3 U7.4 U7.5 U7.6

## Keep-outs
Keep-Out Layer:
  the board outline again, w0.508

## Other copper
Top Layer:
  region: 207 vertices and 1 holes, not listed, extent 94.852,51.927 97,54.864
  region: 94.879,43.389 94.852,43.389 94.852,45.075 94.879,45.075 94.879,45.292 94.906,45.292 94.906,45.374 94.933,45.374 94.933,45.456 94.961,45.456 94.961,45.51 94.988,45.51 94.988,45.537 95.015,45.537 95.015,45.592 95.042,45.592 95.042,45.619 95.069,45.619 95.069,45.646 95.097,45.646 95.097,45.673 95.124,45.673 95.124,45.7 95.151,45.7 95.151,45.728 95.205,45.728 95.205,45.755 95.233,45.755 95.233,45.782 95.287,45.782 95.287,45.809 95.341,45.809 95.341,45.836 95.45,45.836 95.45,45.863 95.858,45.863 95.858,45.836 95.94,45.836 95.94,45.809 96.021,45.809 96.021,45.782 96.075,45.782 96.075,45.755 96.103,45.755 96.103,45.728 96.13,45.728 96.13,45.7 96.184,45.7 96.184,45.673 96.211,45.673 96.211,45.646 96.239,45.646 96.239,45.619 96.266,45.619 96.266,45.564 96.293,45.564 96.293,45.537 96.32,45.537 96.32,45.483 96.347,45.483 96.347,45.428 96.429,45.428 96.429,45.456 96.483,45.456 96.483,45.483 96.511,45.483 96.511,45.51 96.565,45.51 96.565,45.537 96.592,45.537 96.592,45.564 96.647,45.564 96.647,45.592 96.701,45.592 96.701,45.619 96.728,45.619 96.728,45.646 96.782,45.646 96.782,45.673 96.81,45.673 96.81,45.7 96.864,45.7 96.864,45.728 96.918,45.728 96.918,45.755 96.946,45.755 96.946,45.782 97,45.782 97,45.129 96.946,45.129 96.946,45.102 96.891,45.102 96.891,45.075 96.864,45.075 96.864,45.048 96.81,45.048 96.81,45.021 96.755,45.021 96.755,44.993 96.728,44.993 96.728,44.966 96.674,44.966 96.674,44.939 96.619,44.939 96.619,44.912 96.592,44.912 96.592,44.885 96.538,44.885 96.538,44.857 96.483,44.857 96.483,44.83 96.456,44.83 96.456,44.803 96.429,44.803 96.429,43.933 97,43.933 97,43.362 94.879,43.362 hole: 95.314,43.933 95.967,43.933 95.967,45.129 95.94,45.129 95.94,45.184 95.912,45.184 95.912,45.238 95.885,45.238 95.885,45.265 95.831,45.265 95.831,45.292 95.749,45.292 95.749,45.32 95.559,45.32 95.559,45.292 95.477,45.292 95.477,45.265 95.423,45.265 95.423,45.238 95.396,45.238 95.396,45.184 95.368,45.184 95.368,45.129 95.341,45.129 95.341,44.966 95.314,44.966 95.314,44.096 95.314,44.069
  region: 177 vertices and 1 holes, not listed, extent 94.825,46.027 97.027,48.719
  region: 351 vertices and 0 holes, not listed, extent 94.852,48.909 97,51.819
  region: 295 vertices and 14 holes, not listed, extent 94.362,33.165 97.517,36.428
  region: 94.852,42.356 94.879,42.356 94.879,42.573 94.906,42.573 94.906,42.682 94.933,42.682 94.933,42.736 94.961,42.736 94.961,42.791 94.988,42.791 94.988,42.845 95.015,42.845 95.015,42.872 95.042,42.872 95.042,42.9 95.069,42.9 95.069,42.954 95.097,42.954 95.097,42.981 95.124,42.981 95.124,43.008 95.178,43.008 95.178,43.036 95.205,43.036 95.205,43.063 95.26,43.063 95.26,43.09 95.314,43.09 95.314,43.117 95.396,43.117 95.396,43.144 95.532,43.144 95.532,43.171 95.776,43.171 95.776,43.144 95.912,43.144 95.912,43.117 95.994,43.117 95.994,43.09 96.048,43.09 96.048,43.063 96.103,43.063 96.103,43.036 96.13,43.036 96.13,43.008 96.184,43.008 96.184,42.981 96.211,42.981 96.211,42.927 96.239,42.927 96.239,42.9 96.266,42.9 96.266,42.872 96.293,42.872 96.293,42.845 96.32,42.845 96.32,42.791 96.347,42.791 96.347,42.736 96.375,42.736 96.375,42.655 96.402,42.655 96.402,42.573 96.429,42.573 96.429,42.464 96.429,42.437 96.429,41.214 97,41.214 97,40.67 94.852,40.67 hole: 95.314,41.214 95.967,41.214 95.967,42.41 95.94,42.41 95.94,42.492 95.912,42.492 95.912,42.519 95.885,42.519 95.885,42.546 95.858,42.546 95.858,42.573 95.804,42.573 95.804,42.6 95.504,42.6 95.504,42.573 95.45,42.573 95.45,42.546 95.423,42.546 95.423,42.519 95.396,42.519 95.396,42.492 95.368,42.492 95.368,42.437 95.341,42.437 95.341,42.247 95.314,42.247
  region: 96.891,39.854 94.852,39.854 94.852,40.425 97,40.425 97,39.854 96.918,39.854
  region: 276 vertices and 0 holes, not listed, extent 94.825,36.917 97.054,39.664
  region: 94.879,55.027 94.852,55.027 94.852,56.713 94.879,56.713 94.879,56.931 94.906,56.931 94.906,57.012 94.933,57.012 94.933,57.094 94.961,57.094 94.961,57.148 94.988,57.148 94.988,57.175 95.015,57.175 95.015,57.23 95.042,57.23 95.042,57.257 95.069,57.257 95.069,57.284 95.097,57.284 95.097,57.311 95.124,57.311 95.124,57.339 95.151,57.339 95.151,57.366 95.205,57.366 95.205,57.393 95.233,57.393 95.233,57.42 95.287,57.42 95.287,57.447 95.341,57.447 95.341,57.474 95.45,57.474 95.45,57.502 95.858,57.502 95.858,57.474 95.94,57.474 95.94,57.447 96.021,57.447 96.021,57.42 96.075,57.42 96.075,57.393 96.103,57.393 96.103,57.366 96.13,57.366 96.13,57.339 96.184,57.339 96.184,57.311 96.211,57.311 96.211,57.284 96.239,57.284 96.239,57.257 96.266,57.257 96.266,57.203 96.293,57.203 96.293,57.175 96.32,57.175 96.32,57.121 96.347,57.121 96.347,57.067 96.429,57.067 96.429,57.094 96.483,57.094 96.483,57.121 96.511,57.121 96.511,57.148 96.565,57.148 96.565,57.175 96.592,57.175 96.592,57.203 96.647,57.203 96.647,57.23 96.701,57.23 96.701,57.257 96.728,57.257 96.728,57.284 96.782,57.284 96.782,57.311 96.81,57.311 96.81,57.339 96.864,57.339 96.864,57.366 96.918,57.366 96.918,57.393 96.946,57.393 96.946,57.42 97,57.42 97,56.767 96.946,56.767 96.946,56.74 96.891,56.74 96.891,56.713 96.864,56.713 96.864,56.686 96.81,56.686 96.81,56.659 96.755,56.659 96.755,56.632 96.728,56.632 96.728,56.604 96.674,56.604 96.674,56.577 96.619,56.577 96.619,56.55 96.592,56.55 96.592,56.523 96.538,56.523 96.538,56.496 96.483,56.496 96.483,56.468 96.456,56.468 96.456,56.441 96.429,56.441 96.429,55.571 97,55.571 97,55 94.879,55 hole: 95.314,55.571 95.967,55.571 95.967,56.332 95.967,56.36 95.967,56.767 95.94,56.767 95.94,56.822 95.912,56.822 95.912,56.876 95.885,56.876 95.885,56.903 95.831,56.903 95.831,56.931 95.749,56.931 95.749,56.958 95.559,56.958 95.559,56.931 95.477,56.931 95.477,56.903 95.423,56.903 95.423,56.876 95.396,56.876 95.396,56.822 95.368,56.822 95.368,56.767 95.341,56.767 95.341,56.604 95.314,56.604
Bottom Layer:
  region: 22.343,110.587 22.37,110.587 22.37,108.901 22.343,108.901 22.343,108.683 22.316,108.683 22.316,108.602 22.289,108.602 22.289,108.52 22.261,108.52 22.261,108.466 22.234,108.466 22.234,108.438 22.207,108.438 22.207,108.384 22.18,108.384 22.18,108.357 22.153,108.357 22.153,108.33 22.125,108.33 22.125,108.302 22.098,108.302 22.098,108.275 22.071,108.275 22.071,108.248 22.017,108.248 22.017,108.221 21.989,108.221 21.989,108.194 21.935,108.194 21.935,108.166 21.881,108.166 21.881,108.139 21.772,108.139 21.772,108.112 21.364,108.112 21.364,108.139 21.282,108.139 21.282,108.166 21.201,108.166 21.201,108.194 21.147,108.194 21.147,108.221 21.119,108.221 21.119,108.248 21.092,108.248 21.092,108.275 21.038,108.275 21.038,108.302 21.011,108.302 21.011,108.33 20.983,108.33 20.983,108.357 20.956,108.357 20.956,108.411 20.929,108.411 20.929,108.438 20.902,108.438 20.902,108.493 20.875,108.493 20.875,108.547 20.793,108.547 20.793,108.52 20.739,108.52 20.739,108.493 20.711,108.493 20.711,108.466 20.657,108.466 20.657,108.438 20.63,108.438 20.63,108.411 20.575,108.411 20.575,108.384 20.521,108.384 20.521,108.357 20.494,108.357 20.494,108.33 20.44,108.33 20.44,108.302 20.412,108.302 20.412,108.275 20.358,108.275 20.358,108.248 20.304,108.248 20.304,108.221 20.276,108.221 20.276,108.194 20.222,108.194 20.222,108.846 20.276,108.846 20.276,108.873 20.331,108.873 20.331,108.901 20.358,108.901 20.358,108.928 20.412,108.928 20.412,108.955 20.467,108.955 20.467,108.982 20.494,108.982 20.494,109.009 20.548,109.009 20.548,109.037 20.603,109.037 20.603,109.064 20.63,109.064 20.63,109.091 20.684,109.091 20.684,109.118 20.739,109.118 20.739,109.145 20.766,109.145 20.766,109.173 20.793,109.173 20.793,110.043 20.222,110.043 20.222,110.614 22.343,110.614 hole: 21.908,110.043 21.255,110.043 21.255,109.281 21.255,109.254 21.255,108.846 21.282,108.846 21.282,108.792 21.31,108.792 21.31,108.738 21.337,108.738 21.337,108.71 21.391,108.71 21.391,108.683 21.473,108.683 21.473,108.656 21.663,108.656 21.663,108.683 21.745,108.683 21.745,108.71 21.799,108.71 21.799,108.738 21.826,108.738 21.826,108.792 21.853,108.792 21.853,108.846 21.881,108.846 21.881,109.009 21.908,109.009
  region: 276 vertices and 0 holes, not listed, extent 20.168,125.95 22.397,128.696
  region: 20.331,125.76 22.37,125.76 22.37,125.189 20.222,125.189 20.222,125.76 20.304,125.76
  region: 22.37,123.258 22.343,123.258 22.343,123.041 22.316,123.041 22.316,122.932 22.289,122.932 22.289,122.877 22.261,122.877 22.261,122.823 22.234,122.823 22.234,122.769 22.207,122.769 22.207,122.741 22.18,122.741 22.18,122.714 22.153,122.714 22.153,122.66 22.125,122.66 22.125,122.633 22.098,122.633 22.098,122.605 22.044,122.605 22.044,122.578 22.017,122.578 22.017,122.551 21.962,122.551 21.962,122.524 21.908,122.524 21.908,122.497 21.826,122.497 21.826,122.469 21.69,122.469 21.69,122.442 21.446,122.442 21.446,122.469 21.31,122.469 21.31,122.497 21.228,122.497 21.228,122.524 21.174,122.524 21.174,122.551 21.119,122.551 21.119,122.578 21.092,122.578 21.092,122.605 21.038,122.605 21.038,122.633 21.011,122.633 21.011,122.687 20.983,122.687 20.983,122.714 20.956,122.714 20.956,122.741 20.929,122.741 20.929,122.769 20.902,122.769 20.902,122.823 20.875,122.823 20.875,122.877 20.847,122.877 20.847,122.959 20.82,122.959 20.82,123.041 20.793,123.041 20.793,123.149 20.793,123.176 20.793,124.4 20.222,124.4 20.222,124.944 22.37,124.944 hole: 21.908,124.4 21.255,124.4 21.255,123.204 21.282,123.204 21.282,123.122 21.31,123.122 21.31,123.095 21.337,123.095 21.337,123.068 21.364,123.068 21.364,123.041 21.418,123.041 21.418,123.013 21.718,123.013 21.718,123.041 21.772,123.041 21.772,123.068 21.799,123.068 21.799,123.095 21.826,123.095 21.826,123.122 21.853,123.122 21.853,123.176 21.881,123.176 21.881,123.367 21.908,123.367
  region: 295 vertices and 14 holes, not listed, extent 19.705,129.186 22.86,132.449
  region: 351 vertices and 0 holes, not listed, extent 20.222,113.795 22.37,116.705
  region: 177 vertices and 1 holes, not listed, extent 20.195,116.895 22.397,119.587
  region: 22.343,122.225 22.37,122.225 22.37,120.539 22.343,120.539 22.343,120.321 22.316,120.321 22.316,120.24 22.289,120.24 22.289,120.158 22.261,120.158 22.261,120.104 22.234,120.104 22.234,120.077 22.207,120.077 22.207,120.022 22.18,120.022 22.18,119.995 22.153,119.995 22.153,119.968 22.125,119.968 22.125,119.941 22.098,119.941 22.098,119.913 22.071,119.913 22.071,119.886 22.017,119.886 22.017,119.859 21.989,119.859 21.989,119.832 21.935,119.832 21.935,119.805 21.881,119.805 21.881,119.777 21.772,119.777 21.772,119.75 21.364,119.75 21.364,119.777 21.282,119.777 21.282,119.805 21.201,119.805 21.201,119.832 21.147,119.832 21.147,119.859 21.119,119.859 21.119,119.886 21.092,119.886 21.092,119.913 21.038,119.913 21.038,119.941 21.011,119.941 21.011,119.968 20.983,119.968 20.983,119.995 20.956,119.995 20.956,120.049 20.929,120.049 20.929,120.077 20.902,120.077 20.902,120.131 20.875,120.131 20.875,120.185 20.793,120.185 20.793,120.158 20.739,120.158 20.739,120.131 20.711,120.131 20.711,120.104 20.657,120.104 20.657,120.077 20.63,120.077 20.63,120.049 20.575,120.049 20.575,120.022 20.521,120.022 20.521,119.995 20.494,119.995 20.494,119.968 20.44,119.968 20.44,119.941 20.412,119.941 20.412,119.913 20.358,119.913 20.358,119.886 20.304,119.886 20.304,119.859 20.276,119.859 20.276,119.832 20.222,119.832 20.222,120.484 20.276,120.484 20.276,120.512 20.331,120.512 20.331,120.539 20.358,120.539 20.358,120.566 20.412,120.566 20.412,120.593 20.467,120.593 20.467,120.62 20.494,120.62 20.494,120.648 20.548,120.648 20.548,120.675 20.603,120.675 20.603,120.702 20.63,120.702 20.63,120.729 20.684,120.729 20.684,120.756 20.739,120.756 20.739,120.784 20.766,120.784 20.766,120.811 20.793,120.811 20.793,121.681 20.222,121.681 20.222,122.252 22.343,122.252 hole: 21.908,121.681 21.255,121.681 21.255,120.484 21.282,120.484 21.282,120.43 21.31,120.43 21.31,120.376 21.337,120.376 21.337,120.349 21.391,120.349 21.391,120.321 21.473,120.321 21.473,120.294 21.663,120.294 21.663,120.321 21.745,120.321 21.745,120.349 21.799,120.349 21.799,120.376 21.826,120.376 21.826,120.43 21.853,120.43 21.853,120.484 21.881,120.484 21.881,120.648 21.908,120.648 21.908,121.518 21.908,121.545
  region: 207 vertices and 1 holes, not listed, extent 20.222,110.75 22.37,113.686

## Text inside footprints (layer, text, board x,y; h text height)
C2: Top Overlay "+" at 75.968,116.648 h1.02 r270
C4: Top Overlay "+" at 82.152,99.268 h1.02